# Altium PCB bitfury_power.PcbDoc (part 2 of 2)
Units mm, origin at the board's own origin, x right, y up, seen from the top; angles counter-clockwise.
Board outline 85.25 x 57.25 mm, 2 copper layers (Top Layer, Bottom Layer); 97 components, 67 nets, 376 pads, 210 vias.
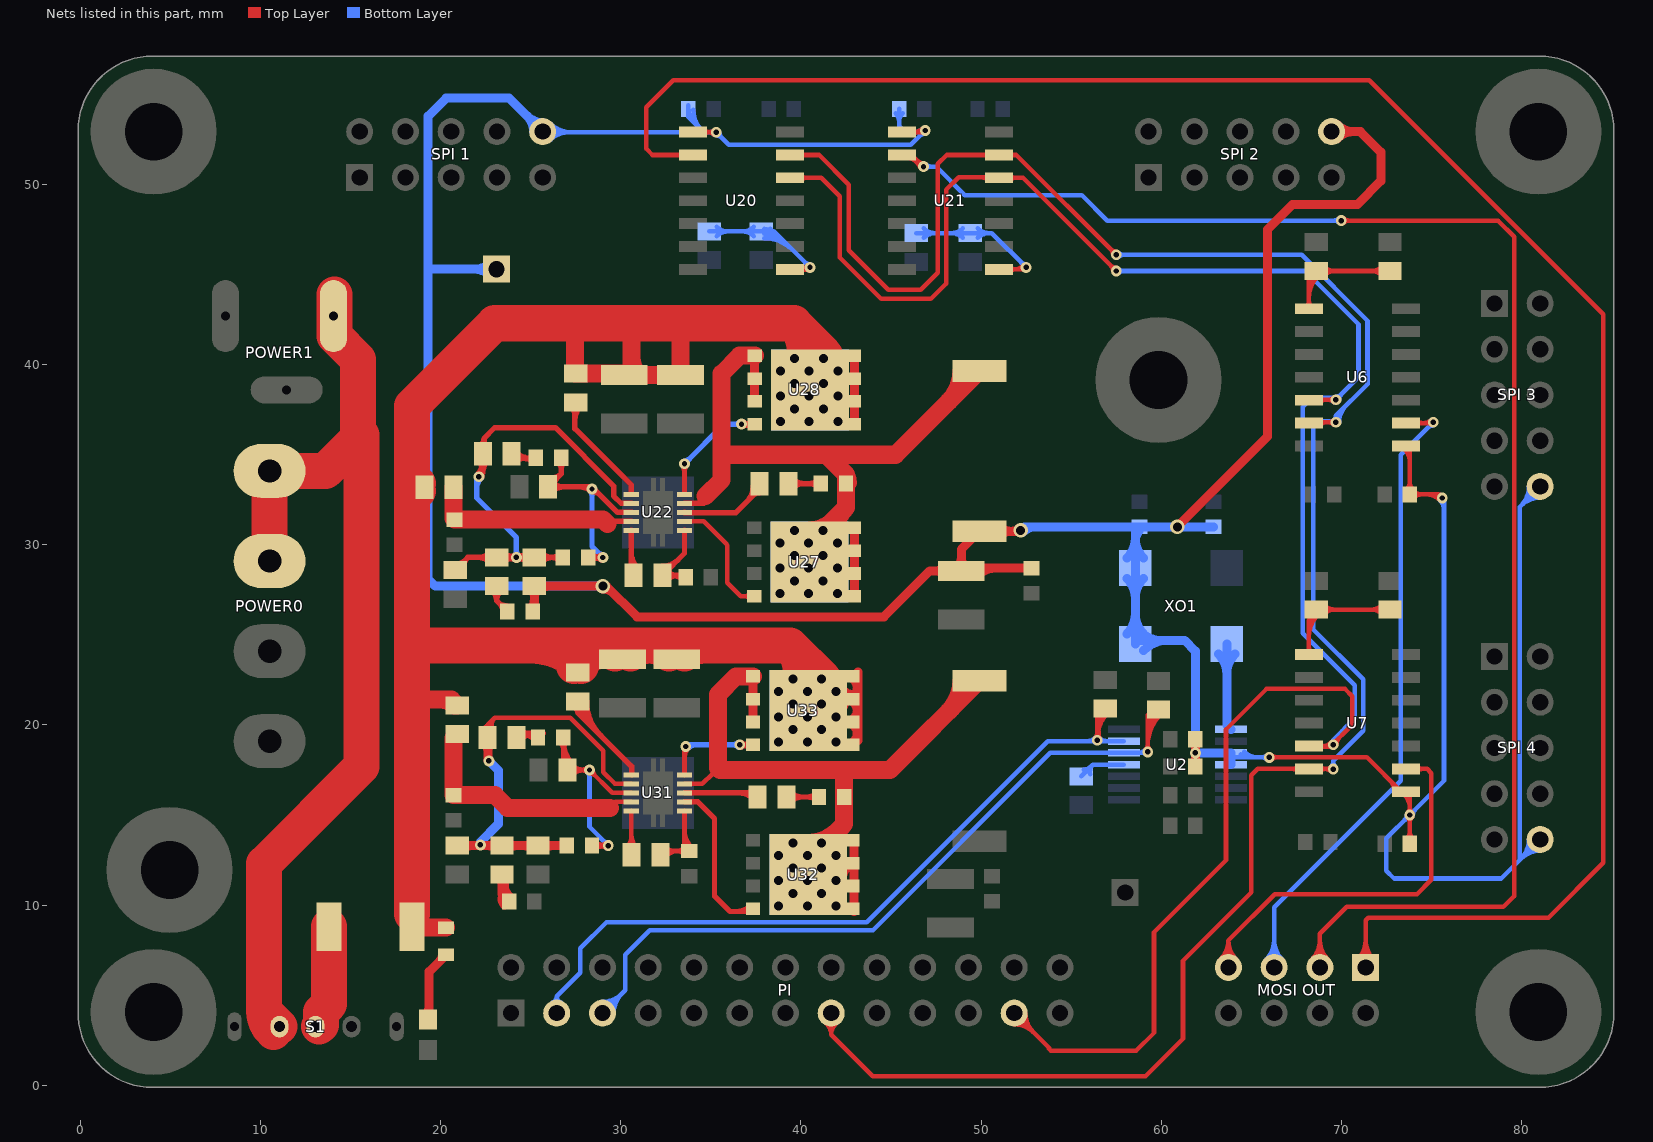
[diagram p2: the nets of this part, all layers, seen from the top]

## Via types
v1: diameter 0.8, hole 0.5, Top Layer to Bottom Layer, 83 vias
v2: diameter 0.6, hole 0.3, Top Layer to Bottom Layer, 77 vias
v3: diameter 1.27, hole 0.711, Top Layer to Bottom Layer, 48 vias
v4: diameter 0.6, hole 0.3, Top Layer to Bottom Layer, tented bottom, 2 vias

## Nets (pads, with @x,y where several pads share a name; then routed paths per layer and width w, separated by ;. In a path a pad name is that pad's centre, name@x,y a point inside that pad or via, vN(x,y) a via of type N, cw(c..) or ccw(c..) an arc to the next point about the centre after c; other vN are vias at no path point) (continued)
INSCK_3V3: PI.23 U6.12 U7.12 U20.12 U21.12 | length 127.2
  Top Layer w0.254: U20.12@39.4,50.373 41.127,50.373 42.15,49.35 42.15,45.95 44.45,43.65 47.2,43.65 48.054,44.504 48.054,49.704 48.75,50.4 50.973,50.4 U21.12@51,50.373 52.327,50.373 v2(57.5,45.2) ; U20.12@39.997,50.251 cw(c40.293,49.955) 40.293,50.373 cw(c40.293,50.791) U20.12@39.997,50.495 ; 50.042,50.4 cw(c50.042,49.89) U21.12@50.403,50.251 ; 50.173,50.4 ccw(c50.173,50.725) U21.12@50.403,50.495 ; U21.12@51.597,50.251 cw(c51.893,49.955) 51.893,50.373 cw(c51.893,50.791) U21.12@51.597,50.495 ; PI.23@51.84,3.377 cw(c51.84,1.873) 52.904,2.936 cw(c53.967,4) PI.23@52.463,4 ; PI.23@51.84,3.631 cw(c51.84,2.74) 52.47,3.37 cw(c53.1,4) PI.23@52.209,4 ; PI.23@51.84,4 53.77,2.07 53.77,2.03 53.877,1.923 58.623,1.923 59.6,2.9 59.6,8.5 63.598,12.498 63.598,19.748 65.847,21.997 70.203,21.997 70.6,21.6 70.6,20 69.4,18.8 68.23,18.8 U7.12@68.2,18.83 ; v2@57.327,45.2 ccw(c56.909,45.2) 57.205,45.495 ccw(c57.5,45.791) v2@57.5,45.373 ; U6.12@68.2,38.03 68.22,38.05 v2(69.7,38.05) ; U7.12@68.797,18.708 cw(c69.02,18.485) 69.02,18.8 ; U7.12@68.797,18.952 ccw(c69.165,19.32) 69.165,18.8 ; U6.12@68.797,37.908 cw(c69.141,37.564) 69.141,38.05 ; U6.12@68.797,38.152 ccw(c69.044,38.399) 69.044,38.05 ; U7.12@68.891,18.8 ccw(c68.891,19.559) v2@69.428,19.022 ; v2@69.55,19.073 ccw(c69.55,19.37) 69.76,19.16 ; v2@69.578,37.928 ccw(c69.282,37.632) 69.282,38.05 ccw(c69.282,38.468) v2@69.578,38.172 ; v2@69.723,18.9 cw(c70.261,18.9) 69.881,19.281
  Bottom Layer w0.254: v2(57.5,45.2) 67.992,45.2 70.954,42.238 70.954,39.396 71,39.35 v2(69.7,38.05) 69.6,38.15 68.35,38.15 67.85,37.65 67.85,25.1 70.754,22.196 70.754,20.367 69.55,19.163 v2(69.55,18.9) ; v2@57.622,45.078 cw(c57.918,44.782) 57.918,45.2 cw(c57.918,45.618) v2@57.622,45.322 ; 69.041,38.15 cw(c69.041,37.391) v2@69.578,37.928 ; v2@69.469,18.9 cw(c69.909,18.9) 69.598,19.211 ; v2@69.7,38.223 ccw(c69.7,38.641) 69.995,38.345 ccw(c70.291,38.05) v2@69.873,38.05 ; v2@69.723,18.9 cw(c70.776,18.9) 70.032,19.645
NetC230_2: C230.2 R28.1 U22.4 | length 11.7
  Top Layer w0.3: 29.304,31.396 29.4,31.3 U22.4@30.582,31.3
  Top Layer w1: R28.1@20.7,33.2 20.7,31.458 C230.2@20.762,31.396 29.017,31.396 29.256,31.156
NetC231_1: C231.1 R30.2 | length 3.8
  Top Layer w0.3: R30.2@22.862,27.443 cw(c22.361,26.9) 23.1,26.9 ; R30.2@23.1,27.7 23.1,26.9 ; 23.188,26.812 ccw(c23.7,27.324) C231.1@23.7,26.6 ; C231.1@23.309,26.691 cw(c22.967,26.35) C231.1@23.45,26.35 ; R30.2@23.338,27.443 ccw(c23.839,26.9) 23.1,26.9 ; C231.1@23.7,26.3 23.1,26.9
NetC232_1: C232.1 R32.1 | length 3.9
  Top Layer w0.3: R32.1@23.934,35.048 24.188,34.794 C232.1@25.482,34.794 ; R32.1@24.181,34.651 cw(c24.528,34.304) 24.528,34.794 ; R32.1@24.181,35.146 ccw(c25.03,35.994) C232.1@25.03,34.794 ; 24.653,34.794 cw(c24.653,34.15) C232.1@25.109,34.605 ; 24.711,34.794 ccw(c24.711,35.357) C232.1@25.109,34.959
NetC232_2: C232.2 C233.2 R33.1 U22.3 | length 19.9
  Top Layer w0.3: R33.1@26.015,33.712 ccw(c26.127,34.495) 26.686,33.936 ; R33.1@26.213,32.969 cw(c26.811,32.371) 26.811,33.216 cw(c26.811,34.061) R33.1@26.213,33.464 ; R33.1@26.316,33.366 cw(c26.799,33.366) R33.1@26.457,33.707 ; C232.2@26.509,34.605 cw(c26.082,34.178) 26.686,34.178 cw(c27.29,34.178) C232.2@26.863,34.605 ; C232.2@26.882,34.794 26.686,34.598 26.686,33.936 ; 27.758,33.216 cw(c27.758,32.458) v2@28.294,32.994 ; C233.2@28.182,29.298 v2(29.006,29.298) ; C233.2@28.359,29.121 cw(c28.786,28.694) 28.786,29.298 cw(c28.786,29.902) C233.2@28.359,29.475 ; v2@28.4,32.95 cw(c28.4,32.311) 28.852,32.763 ; C233.2@28.579,29.243 cw(c28.681,28.863) v2@28.916,29.178 ; C233.2@28.579,29.353 ccw(c28.681,29.733) v2@28.916,29.418 ; v2@28.9,29.192 ccw(c28.644,28.936) 28.644,29.298 ccw(c28.644,29.66) v2@28.9,29.404 ; U22.3@30.6,31.8 U22.3@30.582,31.8 29.815,31.8 28.399,33.216 R33.1@25.966,33.216 26.686,33.936
  Bottom Layer w0.3: v2@28.294,32.994 cw(c28.038,32.738) 28.4,32.738 cw(c28.762,32.738) v2@28.506,32.994 ; v2(28.4,33.1) 28.4,29.904 v2(29.006,29.298) ; v2@28.856,29.298 ccw(c28.494,29.298) 28.75,29.554 ccw(c29.006,29.81) v2@29.006,29.448
NetC233_1: C233.1 R29.2 R30.1 R31.1 R32.2 U22.2 | length 41.1
  Top Layer w0.3: R29.2@20.8,28.6 21.5,29.3 ; R29.2@20.95,28.95 ccw(c20.95,29.433) R29.2@21.291,29.091 ; R29.2@21.295,28.658 cw(c22.019,28.781) 21.5,29.3 ; v2@22.012,33.884 ccw(c21.234,34.662) R32.2@22.334,34.662 ; v2@22.043,33.908 ccw(c21.627,34.628) R32.2@22.43,34.413 ; v2@22.065,33.918 ccw(c21.875,34.422) 22.396,34.283 ; R32.2@22.086,34.651 cw(c21.489,34.053) 22.334,34.053 cw(c23.179,34.053) R32.2@22.581,34.651 ; v2(22.118,33.778) 22.334,33.994 ; v2@22.137,33.927 ccw(c22.167,34.161) 22.334,33.994 ; R32.2@22.166,35.505 ccw(c21.95,35.9) 22.4,35.9 ; v2@22.267,33.797 cw(c22.501,33.827) 22.334,33.994 ; 22.4,35.884 ccw(c23.019,35.884) R32.2@22.581,35.446 ; R30.1@22.703,29.053 ccw(c22.105,28.455) 22.105,29.3 ccw(c22.105,30.145) R30.1@22.703,29.547 ; R30.1@22.854,29.2 R30.1@22.9,29.246 ; R30.1@23.497,29.053 cw(c24.095,28.455) 24.095,29.3 cw(c24.095,30.145) R30.1@23.497,29.547 ; 23.78,29.216 cw(c23.898,28.776) v2@24.125,29.17 ; 23.78,29.384 ccw(c23.898,29.824) v2@24.125,29.43 ; v2@24.094,29.194 ccw(c23.838,28.938) 23.838,29.3 ccw(c23.838,29.662) v2@24.094,29.406 ; v2@24.275,29.17 cw(c24.458,28.853) R31.1@24.553,29.207 ; v2@24.275,29.43 ccw(c24.458,29.747) R31.1@24.553,29.393 ; v2@24.306,29.194 cw(c24.562,28.938) 24.562,29.3 cw(c24.562,29.662) v2@24.306,29.406 ; v2@24.33,29.225 cw(c24.64,29.046) 24.547,29.392 ; v2@24.33,29.375 ccw(c24.64,29.554) 24.547,29.208 ; R31.1@24.803,29.053 ccw(c24.205,28.455) 24.205,29.3 ccw(c24.205,30.145) R31.1@24.803,29.548 ; R31.1@25.597,29.053 cw(c26.195,28.455) 26.195,29.3 cw(c26.195,30.145) R31.1@25.597,29.548 ; 26.174,29.3 cw(c26.174,28.69) C233.1@26.605,29.121 ; 26.183,29.3 ccw(c26.183,29.897) C233.1@26.605,29.475 ; C233.1@26.782,29.298 26.78,29.3 R31.1@25.2,29.3 ; U22.2@30.582,32.3 30.022,32.3 29.6,32.722 29.6,33.263 26.363,36.5 23,36.5 22.4,35.9 ; 21.5,29.3 R30.1@23.1,29.3 v2(24.2,29.3) R31.1@25,29.3 ; 22.334,33.994 R32.2@22.334,35.048 22.4,35.114 22.4,35.9 ; R31.1@25,29.3 R31.1@25.2,29.3 ; R31.1@25,29.3 24.932,29.232 R31.1@25.2,29.3
  Bottom Layer w0.3: 22,33.131 cw(c22.765,33.131) v2@22.224,33.672 ; v2(22.118,33.778) 22,33.66 22,32.6 24.2,30.4 v2(24.2,29.3) ; v2@24.094,29.406 ccw(c23.838,29.662) 24.2,29.662 ccw(c24.562,29.662) v2@24.306,29.406
NetC234_2: C234.2 R35.2 U22.6 | length 8
  Top Layer w0.3: R35.2@32.3,28.8 ccw(c32.3,30.007) 33.154,29.154 ; R35.2@32.548,28.053 cw(c33.145,27.455) 33.145,28.3 cw(c33.145,29.145) R35.2@32.548,28.547 ; R35.2@32.65,28.45 cw(c33.133,28.45) R35.2@32.791,28.791 ; 32.876,28.3 cw(c32.876,27.526) C234.2@33.423,28.073 ; 33.117,28.3 ccw(c33.117,28.733) C234.2@33.423,28.427 ; U22.6@33.532,30.8 33.532,29.532 R35.2@32.3,28.3 33.5,28.3 C234.2@33.6,28.2
NetC235_1: C235.1 L4.1 U22.9 U27.5 U27.6 U27.7 U27.8 U28.1 U28.2 U28.3 | length 50.8
  Top Layer w0.3: U22.9@33.532,32.3 34.6,32.3 34.9,32.6
  Top Layer w0.5: U28.3@37.414,37.96 37.414,40.1 ; v1(42.029,27.3) 42.189,27.14 U27.5@42.979,27.14 U27.6@42.979,28.41 U27.7@42.979,29.68 U27.8@42.979,30.95 ; U27.8@42.135,27.406 ccw(c42.777,28.048) U27.5@42.777,27.14
  Top Layer w1: 34.7,32.7 35.6,33.6 35.6,35 ; U28.1@37.435,40.5 36.6,40.5 35.6,39.5 35.6,35 ; U27.8@40.468,30.192 cw(c39.972,29.037) 41.229,29.037 cw(c42.486,29.037) U27.8@41.989,30.192 ; U27.8@40.479,30.8 ccw(c40.479,32.611) 41.759,31.33 ; v1(41.229,29.4) v1(41.229,30.8) 42.5,32.071 ; U27.8@42.022,29.753 cw(c44.022,30.549) 42.5,32.071 ; 42.353,34.047 cw(c41.755,33.45) C235.1@42.6,33.45 ; 48.193,37.943 ccw(c46.486,39.65) L4.1@48.9,39.65 ; L4.1@49.9,39.65 45.25,35 41.4,35 ; 35.6,35 41.4,35 ; 41.4,35 42.5,33.9 C235.1@42.5,33.4 42.5,32.071
  other v1: 38.829,27.3 40.429,27.3 39.629,28 41.229,28 38.829,28.7 40.429,28.7 42.029,28.7 39.629,29.4 38.829,30.1 40.429,30.1 42.029,30.1 39.629,30.8
NetC235_2: C235.2 R36.2 | length 4.1
  Top Layer w0.3: R36.2@39.298,33.4 C235.2@41.1,33.4 ; R36.2@39.545,33.153 cw(c40.143,32.555) 40.143,33.4 cw(c40.143,34.245) R36.2@39.545,33.647 ; C235.2@40.923,33.223 ccw(c40.496,32.796) 40.496,33.4 ccw(c40.496,34.004) C235.2@40.923,33.577
NetC240_2: C240.2 R38.1 U31.4 | length 13.8
  Top Layer w0.254: 29.354,15.401 29.681,15.728 U31.4@30.596,15.728
  Top Layer w1: R38.1@20.917,19.488 20.717,19.288 C240.2@20.717,16.1 23,16.1 23.699,15.401 29.354,15.401 29.4,15.401
NetC241_1: C241.1 R42.1 | length 3.7
  Top Layer w0.3: R42.1@24.235,19.53 C241.1@25.7,19.53 ; R42.1@24.362,19.53 cw(c24.362,18.312) C241.1@25.223,19.173 ; R42.1@24.447,19.203 cw(c25.238,18.412) C241.1@25.238,19.53 ; R42.1@24.447,19.697 ccw(c24.852,20.102) 24.852,19.53
NetC241_2: C241.2 C242.2 R43.1 U31.3 | length 20.5
  Top Layer w0.254: v2@28.261,17.325 cw(c28.261,16.907) 28.556,17.203 cw(c28.852,17.498) v2@28.434,17.498 ; v2(28.261,17.498) 29.531,16.228 U31.3@30.596,16.228 ; C242.2@28.4,13.3 v2(29.3,13.3) ; C242.2@28.593,13.107 cw(c29.059,12.641) 29.059,13.3 cw(c29.059,13.959) C242.2@28.593,13.493 ; 28.834,13.24 cw(c28.939,12.848) v2@29.192,13.165 ; 28.834,13.36 ccw(c28.939,13.752) v2@29.192,13.435 ; v2@29.178,13.178 ccw(c28.882,12.882) 28.882,13.3 ccw(c28.882,13.718) v2@29.178,13.422
  Top Layer w0.3: C241.2@26.623,19.073 cw(c26.127,18.577) 26.829,18.577 ; 26.829,18.252 ccw(c27.633,18.252) R43.1@27.064,17.683 ; 26.829,18.716 cw(c27.334,18.716) C241.2@26.977,19.073 ; C241.2@26.829,18.976 ccw(c28.357,18.976) R43.1@27.276,17.895 ; C241.2@26.829,19.122 26.829,17.498 v2(28.261,17.498) ; R43.1@27.276,17.25 cw(c27.874,16.653) 27.874,17.498 cw(c27.874,18.343) R43.1@27.276,17.745 ; v2@28.155,17.392 ccw(c27.899,17.136) 27.899,17.498 ccw(c27.899,17.86) v2@28.155,17.604
  Bottom Layer w0.254: v2@28.139,17.376 cw(c27.843,17.08) 28.261,17.08 cw(c28.679,17.08) v2@28.383,17.376 ; v2(28.261,17.498) 28.261,14.339 v2(29.3,13.3) ; v2@29.127,13.3 ccw(c28.709,13.3) 29.005,13.595 ccw(c29.3,13.891) v2@29.3,13.473
NetC242_1: C242.1 R39.2 R40.1 R41.1 R42.2 U31.2 | length 32.7
  Top Layer w0.254: R42.2@22.462,19.797 ccw(c22.381,20) 22.6,20 ; R42.2@22.486,19.378 cw(c22.876,19.624) R42.2@22.55,19.95 ; R42.2@22.6,19.3 22.6,20 ; R42.2@22.701,19.513 cw(c23.152,19.798) 22.775,20.175 ; R42.2@22.738,19.797 cw(c22.819,20) 22.6,20 ; R42.2@22.916,19.649 cw(c23.428,19.972) 23,20.4 ; U31.2@30.596,16.728 29.673,16.728 29.023,17.378 29.023,18.577 27.2,20.4 23,20.4 ; 22.6,20 23,20.4
  Top Layer w0.5: R39.2@20.917,13.3 v2@22.158,13.3 ; R39.2@21.244,13.123 cw(c21.671,12.696) 21.671,13.3 cw(c21.671,13.904) R39.2@21.244,13.477 ; v2(22.2,13.342) v2@22.158,13.3 ; R42.2@22.423,18.973 cw(c21.912,18.462) 22.635,18.462 ; 22.635,18.631 cw(c23.119,18.631) R42.2@22.777,18.973 ; R42.2@22.635,19.53 22.635,18.044 v2(22.673,18.006) ; R40.1@23.073,13.123 ccw(c22.646,12.696) 22.646,13.3 ccw(c22.646,13.904) R40.1@23.073,13.477 ; R40.1@23.727,13.123 cw(c24.154,12.696) 24.154,13.3 cw(c24.154,13.904) R40.1@23.727,13.477 ; R41.1@25.073,13.123 ccw(c24.646,12.696) 24.646,13.3 ccw(c24.646,13.904) R41.1@25.073,13.477 ; R41.1@25.727,13.123 cw(c26.154,12.696) 26.154,13.3 cw(c26.154,13.904) R41.1@25.727,13.477 ; C242.1@26.825,13.3 R41.1@25.4,13.3 R40.1@23.4,13.3 v2@22.158,13.3
  Bottom Layer w0.5: v2(22.2,13.342) 22.2,13.5 23.2,14.5 23.2,17.479 v2(22.673,18.006) ; v2@22.25,13.342 cw(c22.753,13.342) 22.397,13.697
NetC243_1: C243.1 R40.2 | length 4.9
  Top Layer w0.5: R40.2@23.223,11.523 cw(c22.796,11.096) 23.4,11.096 cw(c24.004,11.096) R40.2@23.577,11.523 ; 23.4,10.371 ccw(c23.921,10.371) C243.1@23.553,10.003 ; R40.2@23.4,11.578 ccw(c25.128,11.578) C243.1@23.906,10.356 ; R40.2@23.4,11.7 23.4,10.6 C243.1@23.8,10.2 ; 23.552,11.009 cw(c24.022,11.135) R40.2@23.71,11.508
NetC244_2: C244.2 R44.2 U31.6 | length 8.2
  Top Layer w0.254: R44.2@32.2,12.8 32.4,13 C244.2@33.8,13 33.532,13.268 U31.6@33.532,15.228 ; R44.2@32.464,12.686 cw(c33.221,11.929) 33.221,13 ; R44.2@32.464,13.214 ccw(c32.98,13.73) 32.98,13 ; 33.532,13.572 ccw(c34.322,13.572) C244.2@33.763,13.013 ; 33.532,14.186 ccw(c34.935,14.186) C244.2@33.943,13.193 ; C244.2@33.557,12.807 ccw(c33.091,12.341) 33.091,13 ccw(c33.091,13.659) C244.2@33.557,13.193
NetC245_1: C245.1 L5.1 U31.9 U32.5 U32.6 U32.7 U32.8 U33.1 U33.2 U33.3 | length 52.3
  Top Layer w0.254: U31.9@33.532,16.728 34.528,16.728 35.1,17.3 ; U32.8@41.597,13.196 U32.8@41.803,13.402
  Top Layer w0.5: U33.3@37.335,20.16 U33.2@37.335,21.43 U33.1@37.335,22.7 ; U32.8@41.256,11.944 cw(c41.826,11.374) U32.8@41.826,12.18 ; U32.8@41.285,11.985 cw(c41.597,11.833) 41.597,12.18 U32.7@42.95,12.18 ; U32.8@41.618,12.639 ccw(c42.256,12.852) U32.8@42.256,12.18 ; U32.8@41.937,11.499 ccw(c41.892,12.037) U32.8@42.396,11.844 ; U32.8@41.946,12.6 cw(c41.93,12.036) U32.8@42.34,12.424 ; U32.8@42.08,12.699 ccw(c42.95,13.169) U32.7@42.95,12.18 ; U32.8@42.092,12.798 ccw(c42.95,13.084) U32.7@42.95,12.18 ; U32.8@42.3,11.594 cw(c42.95,11.526) U32.7@42.95,12.18 ; U32.8@42.345,12.18 ccw(c42.345,12.875) U32.7@42.836,12.384 ; U32.5@42.836,9.864 ccw(c42.562,10.138) U32.5@42.95,10.138 ; U32.6@42.836,10.986 cw(c42.562,10.712) U32.6@42.95,10.712 ; U32.6@42.836,11.134 ccw(c42.562,11.408) U32.6@42.95,11.408 ; U32.7@42.836,12.256 cw(c42.562,11.982) U32.7@42.95,11.982 ; U32.7@42.836,12.404 ccw(c42.562,12.678) U32.7@42.95,12.678 ; U32.8@42.836,13.526 cw(c42.562,13.252) U32.8@42.95,13.252 ; U32.5@42.95,9.64 42.95,10.91 U32.7@42.95,12.18 ; U32.8@42.95,13.45 U32.7@42.95,12.18
  Top Layer w1: U33.1@37.335,22.7 36.4,22.7 35.4,21.7 35.4,17.6 35.5,17.5 42.4,17.5 ; U32.8@40.4,13.45 ccw(c40.4,15.743) 42.022,14.122 ; U32.8@41.2,13.3 42.402,14.502 C245.1@42.402,16 42.402,17.498 42.4,17.5 ; U32.8@41.597,12.18 U32.8@41.841,12.424 ; U32.8@41.95,12.383 cw(c43.809,13.095) 42.402,14.502 ; 48.193,20.743 ccw(c46.486,22.45) L5.1@48.9,22.45 ; L5.1@49.9,22.45 44.95,17.5 42.4,17.5
  other v1: 38.75,9.95 40.35,9.95 41.95,9.95 39.55,10.65 41.15,10.65 38.75,11.35 40.35,11.35 41.95,11.35 39.55,12.05 41.15,12.05 38.75,12.75 40.35,12.75 41.95,12.75 39.55,13.45 41.15,13.45
NetC245_2: C245.2 R45.2 | length 4.1
  Top Layer w0.3: R45.2@39.2,16 C245.2@41.002,16 ; R45.2@39.447,15.753 cw(c40.045,15.155) 40.045,16 cw(c40.045,16.845) R45.2@39.447,16.247 ; C245.2@40.825,15.823 ccw(c40.398,15.396) 40.398,16 ccw(c40.398,16.604) C245.2@40.825,16.177
NetD1_1: D1.1 R37.1 | length 5.1
  Top Layer w0.5: D1.1@19.123,3.877 ccw(c18.576,4.424) 19.35,4.424 ; D1.1@19.35,3.5 19.35,6.3 R37.1@20.3,7.25 ; R37.1@19.959,6.909 ccw(c19.617,7.25) R37.1@20.1,7.25
NetF1_2: F1.2 S1.2 | length 5.8
  Top Layer w2: S1.2@13.25,3.25 13.35,3.35 13.35,4.054 13.8,4.504 F1.2@13.8,8.8
NetPOWER0_1: POWER0.1 POWER0.2 POWER1.1 S1.3 | length 57.2
  Top Layer w2: 10.2,4.195 ccw(c11.895,4.195) S1.3@10.696,2.996 ; POWER0.2@10.5,29.1 POWER0.1@10.5,34.1 13.6,34.1 15.4,35.9 15.4,40.3 14.1,41.6 POWER1.1@14.1,43.9 ; S1.3@10.729,2.967 cw(c11.678,4.1) 10.2,4.1 ; S1.3@11.05,3.25 10.2,4.1 ; 15.6,36.1 15.6,17.7 10.2,12.3 10.2,4.1
NetR1_1: R1.1 R5.2 U20.8 | length 17.3
  Top Layer w0.254: U20.8@39.4,45.293 40.393,45.293 v2(40.5,45.4) ; U20.8@39.824,45.293 ccw(c39.824,46.076) v2@40.378,45.522 ; U20.8@39.997,45.171 cw(c40.293,44.875) 40.293,45.293 cw(c40.293,45.711) U20.8@39.997,45.415 ; U20.8@40.001,45.215 ccw(c39.853,45.765) v2@40.349,45.485 ; 40.225,45.275 cw(c40.289,45.035) v2@40.414,45.25
  Bottom Layer w0.254: R5.2@34.9,47.4 R1.1@37.8,47.4 38.5,47.4 ; R5.2@35.314,47.136 cw(c35.95,46.5) 35.95,47.4 cw(c35.95,48.301) R5.2@35.314,47.664 ; R1.1@37.386,47.136 ccw(c36.749,46.499) 36.749,47.4 ccw(c36.75,48.3) R1.1@37.386,47.664 ; R1.1@37.95,47.027 cw(c37.95,44.799) 39.526,46.374 ; R1.1@37.95,47.281 cw(c37.95,45.666) 39.092,46.808 ; R1.1@37.95,47.535 cw(c37.95,46.533) 38.658,47.242 ; R1.1@38.297,47.262 cw(c38.5,47.181) 38.5,47.4 ; R1.1@38.297,47.538 ccw(c38.5,47.619) 38.5,47.4 ; v2@40.327,45.4 ccw(c39.909,45.4) 40.205,45.695 ccw(c40.5,45.991) v2@40.5,45.573 ; v2(40.5,45.4) 38.5,47.4
NetR2_1: R2.1 R6.2 U21.8 | length 14.6
  Top Layer w0.254: U21.8@51,45.293 52.393,45.293 v2(52.5,45.4) ; U21.8@51.597,45.171 cw(c51.893,44.875) 51.893,45.293 cw(c51.893,45.711) U21.8@51.597,45.415 ; 51.824,45.293 ccw(c51.824,46.076) v2@52.378,45.522
  Bottom Layer w0.254: R6.2@46.4,47.3 R2.1@49.4,47.3 50.6,47.3 v2(52.5,45.4) ; R6.2@46.814,47.036 cw(c47.45,46.4) 47.45,47.3 cw(c47.45,48.201) R6.2@46.814,47.564 ; R2.1@48.986,47.036 ccw(c48.35,46.4) 48.35,47.3 ccw(c48.349,48.201) R2.1@48.986,47.564 ; R2.1@49.814,47.036 cw(c50.45,46.4) 50.45,47.3 cw(c50.45,48.201) R2.1@49.814,47.564 ; v2@52.327,45.4 ccw(c51.909,45.4) 52.205,45.695 ccw(c52.5,45.991) v2@52.5,45.573
NetR3_1: R3.1 R7.2 U6.8 | length 12.1
  Top Layer w0.254: U6.8@68.078,43.232 ccw(c67.782,43.528) 68.2,43.528 ccw(c68.618,43.528) U6.8@68.322,43.232 ; U6.8@68.2,43.11 68.2,44.8 R3.1@68.6,45.2 R7.2@72.7,45.2 ; 68.2,43.696 cw(c69.954,43.696) R3.1@68.714,44.936 ; 68.2,44.309 cw(c69.341,44.309) R3.1@68.534,45.116 ; R3.1@69.014,44.936 cw(c69.65,44.3) 69.65,45.2 cw(c69.65,46.1) R3.1@69.014,45.464 ; R7.2@72.286,44.936 ccw(c71.649,44.299) 71.649,45.2 ccw(c71.649,46.1) R7.2@72.286,45.464
NetR4_1: R4.1 R8.2 U7.8 | length 13.2
  Top Layer w0.254: U7.8@68.078,24.032 ccw(c67.782,24.328) 68.2,24.328 ccw(c68.618,24.328) U7.8@68.322,24.032 ; U7.8@68.2,23.91 68.2,25.8 68.8,26.4 R8.2@73.1,26.4 ; 68.2,24.896 cw(c69.954,24.896) R4.1@68.714,26.136 ; 68.2,25.509 cw(c69.341,25.509) R4.1@68.534,26.316 ; 68.2,25.75 cw(c68.478,25.75) R4.1@68.466,26.027 ; R4.1@69.014,26.136 cw(c69.65,25.499) 69.65,26.4 cw(c69.65,27.3) R4.1@69.014,26.664 ; R8.2@72.286,26.136 ccw(c71.649,25.5) 71.649,26.4 ccw(c71.649,27.301) R8.2@72.286,26.664
NetR11_2: R11.2 U2.11 | length 3.7
  Bottom Layer w0.254: R11.2@55.55,17.15 56.2,17.8 ; R11.2@55.7,17.523 ccw(c55.7,18.061) 56.081,17.681 ; R11.2@56.059,17.253 cw(c56.594,17.406) 56.2,17.8 ; U2.11@57.93,17.8 56.2,17.8
NetR34_1: R34.1 U22.1 | length 7.7
  Top Layer w0.3: R34.1@27.252,37.653 cw(c26.785,37.185) 27.446,37.185 ; 27.446,36.925 cw(c28.475,36.925) R34.1@27.747,37.653 ; R34.1@27.446,37.9 27.446,36.454 30.582,33.318 U22.1@30.582,32.8
NetR35_1: R35.1 U22.5 | length 3.9
  Top Layer w0.3: R35.1@30.452,28.697 ccw(c30.14,29.01) 30.582,29.01 ; 30.582,29.58 ccw(c31.83,29.58) R35.1@30.947,28.697 ; U22.5@30.582,30.8 30.582,28.418 R35.1@30.7,28.3
NetR36_1: R36.1 U22.8 | length 6.7
  Top Layer w0.3: U22.8@33.532,31.8 33.542,31.79 36.39,31.79 37.698,33.098 R36.1@37.698,33.4 R36.1@37.444,33.654 ; 36.993,32.393 ccw(c36.136,33.25) R36.1@37.348,33.25 ; R36.1@37.36,32.76 cw(c37.698,32.422) R36.1@37.698,32.9
NetR44_1: R44.1 U31.5 | length 3.8
  Top Layer w0.254: R44.1@30.336,13.214 ccw(c29.743,13.807) 30.582,13.807 ; 30.582,13.894 ccw(c31.544,13.894) R44.1@30.864,13.214 ; U31.5@30.582,15.228 30.582,12.818 R44.1@30.6,12.8
NetR45_1: R45.1 U31.8 | length 5.5
  Top Layer w0.3: U31.8@33.532,16.228 37.372,16.228 R45.1@37.6,16 ; 36.567,16.228 cw(c36.567,15.117) R45.1@37.353,15.903 ; 36.943,16.228 ccw(c36.943,16.807) R45.1@37.353,16.397
NetR46_1: R46.1 U31.1 | length 10.6
  Top Layer w0.3: R46.1@27.423,21.002 cw(c27.253,20.703) 27.597,20.703 ; R46.1@27.497,21.306 ccw(c28.711,21.306) 27.853,20.447 ; R46.1@27.597,21.306 27.597,20.703 ; R46.1@27.771,21.002 ccw(c27.941,20.703) 27.597,20.703 ; R46.1@27.797,21.306 ccw(c29.735,21.306) 28.365,19.935 ; R46.1@28.097,21.306 ccw(c30.76,21.306) 28.877,19.423 ; U31.1@30.596,17.228 30.596,17.704 27.597,20.703
NetU2_1: U2.1 XO1.3 | length 7.3
  Bottom Layer w0.5: XO1.3@63.18,23.94 cw(c62.071,22.831) 63.64,22.831 cw(c65.209,22.831) XO1.3@64.1,23.94 ; XO1.3@63.64,24.5 63.64,19.99 U2.1@63.87,19.76
NetU22_7: U22.7 U27.4 | length 7.7
  Top Layer w0.254: U22.7@33.532,31.3 34.6,31.3 35.873,30.027 35.873,29.999 35.9,29.972 35.9,27.9 36.66,27.14 U27.4@37.414,27.14 ; U27.4@37.206,26.982 ccw(c36.826,26.602) 36.826,27.14 ccw(c36.826,27.678) U27.4@37.206,27.298
NetU22_10: U22.10 U28.4 | length 10.1
  Top Layer w0.3: v2@33.426,34.394 cw(c33.17,34.138) 33.532,34.138 cw(c33.894,34.138) v2@33.638,34.394 ; U22.10@33.532,32.8 v2(33.532,34.5) ; v2(36.7,36.7) 36.71,36.69 U28.4@37.435,36.69 ; v2@36.795,36.584 cw(c36.992,36.346) U28.4@37.072,36.644 ; v2@36.806,36.594 cw(c37.038,36.362) U28.4@37.038,36.69 ; v2@36.806,36.806 ccw(c37.086,37.086) U28.4@37.086,36.69 ; v2@36.814,36.797 ccw(c36.983,36.94) U28.4@37.04,36.727 ; U28.4@37.244,36.549 ccw(c36.902,36.207) 36.902,36.69 ccw(c36.902,37.173) U28.4@37.244,36.831
  Bottom Layer w0.3: v2(33.532,34.5) 35.732,36.7 v2(36.7,36.7) ; v2@33.532,34.65 ccw(c33.532,35.012) 33.788,34.756 ccw(c34.044,34.5) v2@33.682,34.5 ; v2@36.594,36.594 ccw(c36.338,36.338) 36.338,36.7 ccw(c36.338,37.062) v2@36.594,36.806
NetU31_7: U31.7 U32.4 | length 9.7
  Top Layer w0.3: U31.7@33.532,15.728 34.272,15.728 35.2,14.8 35.2,10.5 36.06,9.64 U32.4@37.385,9.64 ; 36.44,9.64 ccw(c36.44,10.635) U32.4@37.144,9.931
NetU31_10: U31.10 U33.4 | length 8.8
  Top Layer w0.3: U31.10@33.532,17.228 33.532,18.732 v2(33.6,18.8) ; 33.532,18.274 cw(c34.126,18.274) v2@33.706,18.694 ; v2(36.6,18.9) 37.325,18.9 U33.4@37.335,18.89 ; v2@36.701,18.789 cw(c36.887,18.583) U33.4@36.959,18.851 ; v2@36.706,18.794 cw(c36.962,18.538) 36.962,18.9 cw(c36.962,19.262) v2@36.706,19.006 ; v2@36.709,19.003 ccw(c36.889,19.172) U33.4@36.953,18.934 ; v2@36.778,18.9 cw(c36.778,18.383) U33.4@37.144,18.749 ; v2@36.826,18.9 ccw(c36.826,19.349) U33.4@37.144,19.031
  Bottom Layer w0.3: v2(33.6,18.8) 33.7,18.9 v2(36.6,18.9) ; v2@33.706,18.694 cw(c34.204,18.196) 34.204,18.9 ; v2@36.494,18.794 ccw(c36.238,18.538) 36.238,18.9 ccw(c36.238,19.262) v2@36.494,19.006
OMOSI0: "MOSI OUT.1" U20.2 | length 116.8
  Top Layer w0.254: U20.2@33.403,51.521 ccw(c33.107,51.225) 33.107,51.643 ccw(c33.107,52.061) U20.2@33.403,51.765 ; U20.2@34,51.643 31.757,51.643 31.4,52 31.4,54.3 32.9,55.8 67.3,55.8 ; 66.7,55.8 67.3,55.8 ; 70.909,6.981 ccw(c69.846,8.044) 71.35,8.044 ccw(c72.854,8.044) 71.791,6.981 ; 71.089,6.801 ccw(c70.459,7.431) 71.35,7.431 ccw(c72.241,7.431) 71.611,6.801 ; 71.35,6.54 71.35,9.15 71.5,9.3 81.5,9.3 84.546,12.346 84.546,42.796 71.542,55.8 67.3,55.8
OMOSI4: "MOSI OUT.3" U21.2 | length 95.5
  Top Layer w0.254: U21.2@45.657,51.7 U21.2@45.6,51.643 46.157,51.643 v2(46.8,51) ; U21.2@46.075,51.47 cw(c46.075,50.854) 46.51,51.29 cw(c46.239,51.012) v2@46.627,51.004 ; U21.2@46.1,51.46 cw(c45.733,50.543) v2@46.641,50.932 ; U21.2@46.338,51.365 cw(c46.164,50.932) v2@46.628,50.982 ; 46.5,51.3 cw(c46.205,50.998) 46.627,50.999 ccw(c46.209,51) 46.505,51.295 ccw(c46.8,51.591) v2@46.8,51.173 ; 68.369,6.981 ccw(c67.306,8.044) 68.81,8.044 ccw(c70.314,8.044) 69.251,6.981 ; 68.549,6.801 ccw(c67.919,7.431) 68.81,7.431 ccw(c69.701,7.431) 69.071,6.801 ; 68.81,6.54 68.81,8.41 70.3,9.9 79,9.9 79.6,10.5 79.6,47.1 78.7,48 v2(70,48) ; v2@70.122,47.878 cw(c70.418,47.582) 70.418,48 cw(c70.418,48.418) v2@70.122,48.122 ; 46.513,51.287 ccw(c46.793,51.574) 46.798,51.173 cw(c46.793,51.574) 46.513,51.287
  Bottom Layer w0.254: v2(46.8,51) 47.5,51 49.1,49.4 55.6,49.4 57,48 v2(70,48) ; v2@46.922,50.878 cw(c47.218,50.582) 47.218,51 cw(c47.218,51.418) v2@46.922,51.122 ; v2@69.878,47.878 ccw(c69.582,47.582) 69.582,48 ccw(c69.582,48.418) v2@69.878,48.122
OMOSI8: "MOSI OUT.5" U6.2 | length 41.2
  Top Layer w0.254: U6.2@73.6,36.76 75.06,36.76 v2(75.1,36.8) ; U6.2@74.197,36.638 cw(c74.493,36.342) 74.493,36.76 cw(c74.493,37.178) U6.2@74.197,36.882 ; 74.586,36.76 ccw(c74.586,37.314) v2@74.978,36.922 ; 74.779,36.76 cw(c74.779,36.479) v2@74.978,36.678
  Bottom Layer w0.254: 65.829,6.981 ccw(c64.766,8.044) 66.27,8.044 ccw(c67.774,8.044) 66.711,6.981 ; 66.009,6.801 ccw(c65.379,7.431) 66.27,7.431 ccw(c67.161,7.431) 66.531,6.801 ; 66.27,6.54 66.27,9.87 73.3,16.9 73.3,35 v2(75.1,36.8) ; v2@74.927,36.8 cw(c74.509,36.8) 74.805,36.505 cw(c75.1,36.209) v2@75.1,36.627
OMOSI12: "MOSI OUT.7" U7.2 | length 25.9
  Top Layer w0.254: 63.292,6.983 ccw(c62.26,8.03) 63.73,8.03 ; 63.471,6.803 ccw(c62.859,7.422) 63.73,7.422 ccw(c64.601,7.422) 63.989,6.803 ; 63.73,6.54 63.73,8.03 ; 64.168,6.983 cw(c65.2,8.03) 63.73,8.03 ; U7.2@73.6,17.56 74.76,17.56 75,17.32 75,11.4 74.2,10.6 66.3,10.6 63.73,8.03 ; U7.2@74.197,17.438 cw(c74.493,17.142) 74.493,17.56 cw(c74.493,17.978) U7.2@74.197,17.682
OUTMOSI_3V3: PI.15 U6.13 U7.13 U20.13 U21.13 | length 132.8
  Top Layer w0.254: U20.13@39.4,51.643 41.007,51.643 42.65,50 42.65,46.35 44.85,44.15 46.65,44.15 47.6,45.1 47.6,51.15 48.093,51.643 U21.13@51,51.643 51.957,51.643 v2(57.5,46.1) ; U20.13@39.997,51.521 cw(c40.293,51.225) 40.293,51.643 cw(c40.293,52.061) U20.13@39.997,51.765 ; PI.15@41.325,3.488 cw(c40.855,2.81) 41.68,2.81 cw(c42.505,2.81) PI.15@42.035,3.488 ; PI.15@41.68,4 41.68,2.81 43.99,0.5 59.126,0.5 61.208,2.582 61.208,6.908 65,10.7 65,17.2 65.36,17.56 U7.13@68.2,17.56 69.54,17.56 v2(69.55,17.55) ; U21.13@50.403,51.521 ccw(c50.107,51.225) 50.107,51.643 ccw(c50.107,52.061) U21.13@50.403,51.765 ; U21.13@51.597,51.521 cw(c51.893,51.225) 51.893,51.643 cw(c51.893,52.061) U21.13@51.597,51.765 ; v2@57.327,46.1 ccw(c56.909,46.1) 57.205,46.395 ccw(c57.5,46.691) v2@57.5,46.273 ; U7.13@67.603,17.438 ccw(c67.307,17.142) 67.307,17.56 ccw(c67.307,17.978) U7.13@67.603,17.682 ; U6.13@68.2,36.76 68.24,36.8 v2(69.7,36.8) ; U7.13@68.797,17.438 cw(c69.093,17.142) 69.093,17.56 cw(c69.093,17.978) U7.13@68.797,17.682 ; U6.13@68.797,36.638 cw(c69.189,36.246) 69.189,36.8 ; U6.13@68.797,36.882 ccw(c68.996,37.081) 68.996,36.8 ; 69.108,17.56 cw(c69.108,17.108) v2@69.428,17.428 ; 69.156,17.56 ccw(c69.156,17.944) v2@69.428,17.672 ; v2@69.578,36.678 ccw(c69.282,36.382) 69.282,36.8 ccw(c69.282,37.218) v2@69.578,36.922
  Bottom Layer w0.254: v2@57.55,46.1 67.8,46.1 71.454,42.446 71.454,38.917 69.7,37.163 ; v2@57.622,45.978 cw(c57.918,45.682) 57.918,46.1 cw(c57.918,46.518) v2@57.622,46.222 ; 69.162,36.85 cw(c69.162,36.262) v2@69.578,36.678 ; 69.403,36.85 ccw(c69.403,37.097) v2@69.578,36.922 ; v2@69.428,17.672 ccw(c69.132,17.968) 69.55,17.968 ccw(c69.968,17.968) v2@69.672,17.672 ; v2(69.55,17.55) 69.55,18.013 71.208,19.671 71.208,22.542 68.45,25.3 68.45,36.6 68.7,36.85 69.65,36.85 v2(69.7,36.8) 69.7,37.163 ; v2@69.591,36.934 ccw(c69.405,37.163) 69.7,37.163 ; v2@69.619,36.8 cw(c70.301,36.8) 69.819,37.282 ; v2@69.809,36.934 cw(c69.995,37.163) 69.7,37.163 ; v2@69.873,36.8 cw(c71.168,36.8) 70.252,37.716
SCL: PI.5 R10.1 U2.12 | length 49.7
  Top Layer w0.254: v2@59.128,18.622 ccw(c58.832,18.918) 59.25,18.918 ccw(c59.668,18.918) v2@59.372,18.622 ; v2(59.25,18.5) 59.25,20.55 R10.1@59.85,21.15 ; 59.25,18.863 cw(c61.687,18.863) R10.1@59.964,20.586 ; 59.25,19.476 cw(c61.074,19.476) R10.1@59.784,20.766 ; 59.25,20.09 cw(c60.46,20.09) R10.1@59.605,20.945
  Bottom Layer w0.254: PI.5@28.98,4 30.25,5.27 30.25,7.25 31.6,8.6 44,8.6 53.85,18.45 U2.12@57.93,18.45 59.2,18.45 v2(59.25,18.5) ; PI.5@28.98,4.369 ccw(c28.98,5.26) 29.61,4.63 ccw(c30.24,4) PI.5@29.349,4 ; PI.5@28.98,4.623 ccw(c28.98,6.127) 30.044,5.064 ccw(c31.107,4) PI.5@29.603,4 ; U2.12@58.712,18.45 ccw(c58.712,19.038) v2@59.128,18.622 ; 58.953,18.45 cw(c58.953,18.203) v2@59.128,18.378
SDA: PI.3 R9.2 U2.13 | length 47.4
  Top Layer w0.254: v2@56.328,19.272 ccw(c56.032,19.568) 56.45,19.568 ccw(c56.868,19.568) v2@56.572,19.272 ; v2@56.361,19.298 ccw(c56.2,19.567) 56.504,19.491 ; v2(56.45,19.15) 56.45,20.9 R9.2@56.75,21.2 ; v2@56.45,19.275 cw(c58.375,19.275) R9.2@57.014,20.636 ; 56.45,19.888 cw(c57.762,19.888) R9.2@56.834,20.816 ; 56.54,19.634 ccw(c57.046,19.507) v2@56.598,19.239
  Bottom Layer w0.254: PI.3@26.197,4.574 ccw(c26.042,4.94) 26.44,4.94 ; PI.3@26.44,4 26.44,4.94 ; PI.3@26.683,4.574 cw(c26.838,4.94) 26.44,4.94 ; 55.912,19.1 ccw(c55.912,19.688) v2@56.328,19.272 ; 56.153,19.1 cw(c56.153,18.853) v2@56.328,19.028 ; v2@56.572,19.028 cw(c56.747,18.853) 56.747,19.1 ; v2@56.572,19.272 ccw(c56.988,19.688) 56.988,19.1 ; U2.13@57.93,19.1 53.7,19.1 43.654,9.054 29.204,9.054 27.75,7.6 27.75,6.25 26.44,4.94
VCC1V8: "SPI 1.10" "SPI 2.10" "SPI 3.10" "SPI 4.10" C2.1 C4.1 C6.1 C8.1 C11.2 C12.2 C13.1 C14.2 C231.2 C236.2 C237.2 L4.2 R31.2 U2.3 U2.4 U6.1 U7.1 U20.1 U21.1 VCC1.8V.1 XO1.1 XO1.4 | length 304.2
  Top Layer w0.254: U20.1@34,52.913 35.287,52.913 v2(35.3,52.9) ; U20.1@34.597,52.791 cw(c34.893,52.495) 34.893,52.913 cw(c34.893,53.331) U20.1@34.597,53.035 ; 34.851,52.913 cw(c34.851,52.451) v2@35.178,52.778 ; 34.914,52.913 ccw(c34.914,53.286) v2@35.178,53.022 ; U21.1@45.613,52.9 U21.1@45.6,52.913 46.813,52.913 v2(46.9,53) ; U21.1@46.197,52.791 cw(c46.493,52.495) 46.493,52.913 cw(c46.493,53.331) U21.1@46.197,53.035 ; U21.1@46.272,52.913 ccw(c46.272,53.627) v2@46.778,53.122 ; v2(66,18.2) 71.423,18.2 73.333,16.29 U7.1@73.6,16.29 73.8,16.09 C8.1@73.8,13.4 ; v2@66.122,18.078 cw(c66.418,17.782) 66.418,18.2 cw(c66.418,18.618) v2@66.122,18.322 ; 72.683,16.94 cw(c72.033,16.29) U7.1@72.952,16.29 ; U7.1@73.478,16.168 cw(c72.699,15.389) 73.8,15.389 ; U6.1@73.478,35.368 cw(c72.699,34.589) 73.8,34.589 ; C8.1@73.607,13.643 ccw(c73.141,14.109) 73.8,14.109 ccw(c74.459,14.109) C8.1@73.993,13.643 ; C6.1@73.607,33.043 ccw(c73.141,33.509) 73.8,33.509 ccw(c74.459,33.509) C6.1@73.993,33.043 ; U6.1@73.61,35.5 U6.1@73.6,35.49 73.8,35.29 C6.1@73.8,32.8 75.4,32.8 v2(75.6,32.6) ; U7.1@73.657,16.347 cw(c73.313,16.003) U7.1@73.8,16.003 ; U6.1@73.657,35.547 cw(c73.313,35.203) U6.1@73.8,35.203 ; v2@73.678,14.878 cw(c73.382,14.582) 73.8,14.582 cw(c74.218,14.582) v2@73.922,14.878 ; v2@73.678,15.122 ccw(c73.382,15.418) 73.8,15.418 ccw(c74.218,15.418) v2@73.922,15.122 ; C6.1@73.993,32.607 cw(c74.459,32.141) 74.459,32.8 cw(c74.459,33.459) C6.1@73.993,32.993 ; 74.7,32.8 cw(c74.7,31.7) v2@75.478,32.478 ; 75.313,32.8 cw(c75.313,32.313) v2@75.657,32.657
  Top Layer w0.5: C231.2@24.994,26.456 ccw(c24.496,26.954) 25.2,26.954 ; R31.2@25.023,27.523 cw(c24.596,27.096) 25.2,27.096 cw(c25.804,27.096) R31.2@25.377,27.523 ; C231.2@25.1,26.3 25.2,26.4 R31.2@25.2,27.7 29.2,27.7 30.9,26 44.6,26 47.15,28.55 C237.2@48.9,28.55 ; R31.2@25.527,27.523 cw(c25.954,27.096) 25.954,27.7 cw(c25.954,28.304) R31.2@25.527,27.877 ; v1@29,27.55 cw(c29,26.705) 29.597,27.303 ; C237.2@47.938,28.338 ccw(c47.426,27.826) 47.426,28.55 ccw(c47.426,29.274) C237.2@47.938,28.762 ; C237.2@48.688,28.762 ccw(c48.176,29.274) 48.9,29.274 ccw(c49.624,29.274) C237.2@49.112,28.762 ; C237.2@49.862,28.338 cw(c50.736,27.464) 50.736,28.7 ; L4.2@51.047,30.502 cw(c51.645,29.905) 51.645,30.75 cw(c51.645,31.595) L4.2@51.047,30.997 ; 51.717,30.75 ccw(c51.717,31.283) v1@52.094,30.906 ; v1(52.2,30.8) 52.15,30.75 L4.2@49.9,30.75 48.9,29.75 C237.2@48.9,28.55 ; C236.2@52.8,28.7 49.05,28.7 C237.2@48.9,28.55 ; v1(60.9,31) 65.9,36 65.9,47.5 67.3,48.9 70.9,48.9 72.2,50.2 72.2,51.8 71.06,52.94 69.46,52.94 69.34,52.94 ; C12.2@61.9,17.7 v2(61.9,18.45) C11.2@61.9,19.2 ; 69.814,52.586 cw(c70.667,51.733) 70.667,52.94 cw(c70.667,54.147) 69.814,53.294
  Bottom Layer w0.254: 25.66,52.94 25.7,52.9 34.6,52.9 ; 25.921,52.679 cw(c26.454,52.146) 26.454,52.9 ; 25.921,53.201 ccw(c26.647,53.927) 26.647,52.9 ; 26.101,52.499 cw(c27.067,51.533) 27.067,52.9 ; 26.101,53.381 ccw(c27.261,54.541) 27.261,52.9 ; C2.1@33.75,54.4 33.75,53.75 34.6,52.9 ; C2.1@33.769,54.15 ccw(c34.781,54.15) 34.065,53.435 ; C2.1@34.023,54.15 ccw(c35.648,54.15) 34.499,53.001 ; v2@35.178,52.778 ccw(c34.882,52.482) 34.882,52.9 ccw(c34.882,53.318) v2@35.178,53.022 ; v2@35.2,52.8 v2(35.3,52.9) ; v2@35.3,52.727 cw(c35.3,52.309) 35.595,52.605 cw(c35.891,52.9) v2@35.473,52.9 ; C4.1@45.257,53.957 cw(c44.791,53.491) 45.45,53.491 cw(c46.109,53.491) C4.1@45.643,53.957 ; C4.1@45.45,54.2 45.45,53.25 45.8,52.9 v2@46.8,52.9 ; 46.241,52.9 ccw(c46.241,53.659) v2@46.778,53.122 ; v2@46.727,53 cw(c46.309,53) 46.605,52.705 cw(c46.9,52.409) v2@46.9,52.827 ; v2(46.9,53) v2@46.8,52.9 ; U2.4@63.741,17.688 cw(c63.918,17.841) U2.4@63.752,18.007 ; 63.87,18.125 63.945,18.2 ; U2.4@63.933,17.854 cw(c64.124,18.021) 63.945,18.2 ; U2.3@64.406,18.359 ccw(c64.694,18.541) 64.694,18.2 ; U2.3@64.429,18.329 ccw(c64.741,18.641) 64.741,18.2 ; U2.3@64.609,18.509 ccw(c65.354,19.254) 65.354,18.2 ; U2.3@64.62,18.494 ccw(c65.155,18.833) 65.155,18.2 ; v2@65.878,18.078 ccw(c65.582,17.782) 65.582,18.2 ccw(c65.582,18.618) v2@65.878,18.322 ; v2(66,18.2) 63.945,18.2 ; v2@73.627,15 cw(c73.209,15) 73.505,14.705 cw(c73.8,14.409) v2@73.8,14.827 ; v2@73.8,15.173 ccw(c73.8,15.591) 74.095,15.295 ccw(c74.391,15) v2@73.973,15 ; v2@75.478,32.478 cw(c74.941,31.941) 75.7,31.941 ; v2@75.7,32.6 75.7,16.9 v2(73.8,15) 72.5,13.7 72.5,11.9 72.927,11.473 78.873,11.473 79.9,12.5 ; 80.417,13.64 cw(c78.913,13.64) 79.976,12.576 cw(c81.04,11.513) 81.04,13.017 ; 80.417,33.24 cw(c78.913,33.24) 79.976,32.176 cw(c81.04,31.113) 81.04,32.617 ; 80.671,13.64 cw(c79.78,13.64) 80.41,13.01 cw(c81.04,12.38) 81.04,13.271 ; 80.671,33.24 cw(c79.78,33.24) 80.41,32.61 cw(c81.04,31.98) 81.04,32.871 ; 81.04,13.64 79.9,12.5 ; 81.04,33.24 79.9,32.1 79.9,12.5 ; 34.6,52.9 v2(35.3,52.9) ; v2(35.3,52.9) 36,52.2 46.1,52.2 v2@46.8,52.9
  Bottom Layer w0.5: VCC1.8V.1@22.746,44.946 ccw(c21.893,44.093) 21.893,45.3 ccw(c21.893,46.507) VCC1.8V.1@22.746,45.654 ; VCC1.8V.1@23.1,45.3 19.3,45.3 ; 25.16,52.94 ccw(c23.953,52.94) 24.806,53.794 ccw(c25.66,54.647) 25.66,53.44 ; 25.66,52.94 23.8,54.8 20.3,54.8 19.3,53.8 19.3,45.3 ; v1(29,27.7) 19.7,27.7 19.3,28.1 19.3,45.3 ; v1(52.2,30.8) 52.4,31 C13.1@58.8,31 ; v1@52.306,30.694 cw(c53.045,29.955) 53.045,31 ; XO1.4@58.1,25.06 ccw(c56.991,26.169) 58.56,26.169 ccw(c60.129,26.169) 59.02,25.06 ccw(c59.888,25.928) 59.888,24.7 ; XO1.1@58.1,28.14 cw(c56.991,27.031) 58.56,27.031 cw(c60.129,27.031) XO1.1@59.02,28.14 ; XO1.1@58.1,29.26 ccw(c56.991,30.369) 58.56,30.369 ccw(c60.129,30.369) XO1.1@59.02,29.26 ; 58.56,30.179 cw(c59.571,30.179) C13.1@58.856,30.894 ; XO1.4@59.02,24.14 cw(c60.371,22.789) 60.371,24.7 ; C14.2@62.9,31 C13.1@58.8,31 ; U2.4@63.87,17.81 63.87,18.125 63.87,18.44 61.91,18.44 v2(61.9,18.45) 61.9,24.1 61.3,24.7 58.76,24.7 XO1.4@58.56,24.5 XO1.1@58.56,28.7 58.56,30.76 C13.1@58.8,31
VCC12V: C238.2 C239.2 C248.2 C249.2 F1.1 R28.2 R34.2 R37.2 R38.2 R46.2 U28.5 U28.6 U28.7 U28.8 U33.5 U33.6 U33.7 U33.8 | length 153.8
  Top Layer w0.5: U33.8@41.631,22.309 cw(c41.445,21.986) U33.8@41.805,21.889 ; U33.8@41.655,21.678 U33.7@43.179,21.678 ; U33.8@41.751,22.241 ccw(c43.109,23.599) U33.7@43.109,21.678 ; U33.8@41.809,20.848 cw(c42.664,20.823) U33.7@42.664,21.678 ; U33.8@41.828,20.91 ccw(c42.073,20.837) U33.8@41.995,20.593 ; U33.8@41.84,21.749 cw(c41.394,21.34) U33.8@41.919,21.04 ; U33.8@41.879,20.582 ccw(c41.329,21.604) U33.8@42.44,21.27 ; U33.8@41.89,20.588 ccw(c41.521,21.44) U33.8@42.411,21.173 ; U33.8@42.012,21.713 cw(c42.257,21.174) U33.8@42.553,21.687 ; v1(42.05,36.85) 42.21,36.69 U28.5@42.979,36.69 ; U33.8@42.056,21.956 ccw(c42.727,22.627) U33.7@42.727,21.678 ; U33.8@42.06,21.748 cw(c42.317,21.508) U33.8@42.492,21.812 ; U33.8@42.08,21.925 ccw(c42.764,22.32) U33.8@42.559,21.557 ; U33.8@42.102,21.948 cw(c41.794,20.802) U33.7@42.822,21.395 ; U33.8@42.108,21.678 cw(c42.108,20.648) U33.7@42.836,21.376 ; U28.8@42.156,36.956 ccw(c42.798,37.598) U28.5@42.798,36.69 ; U33.8@42.309,20.834 cw(c43.179,20.808) U33.7@43.179,21.678 ; U33.5@42.836,18.964 ccw(c42.009,19.791) 43.179,19.791 ; U33.6@42.836,20.086 cw(c42.009,19.259) 43.179,19.259 ; U33.6@42.836,20.234 ccw(c42.009,21.061) 43.179,21.061 ; U33.7@42.836,21.356 cw(c42.009,20.529) 43.179,20.529 ; U33.7@42.836,21.504 ccw(c42.009,22.331) 43.179,22.331 ; U33.8@42.836,22.626 cw(c42.009,21.799) 43.179,21.799 ; 42.979,40.1 U28.5@42.979,36.69 ; U28.5@43,36.69 U28.5@42.979,36.69 ; U33.5@43.179,19.138 U33.7@43.179,21.678 ; U33.8@43.179,22.948 U33.7@43.179,21.678
  Top Layer w1: F1.1@18.4,8.8 18.45,8.75 R37.2@20.3,8.75 ; 18.4,21.4 20.605,21.4 R38.2@20.917,21.088 ; 20.014,21.4 cw(c20.014,20.335) R38.2@20.767,21.088 ; R34.2@27.446,39.5 27.446,42.046 27.7,42.3 ; R34.2@27.5,39.5 30.118,39.5 C239.2@30.186,39.432 C238.2@33.318,39.432 ; C239.2@30.6,39.5 30.6,42.3 ; 30.6,40.364 ccw(c31.868,40.364) C239.2@30.971,39.467 ; 33.4,42.3 33.318,42.218 C238.2@33.318,39.432 ; C238.2@33.518,39.5 33.45,39.432 C238.2@33.318,39.432
  Top Layer w1.5: U28.8@40.23,38.522 cw(c40.935,37.653) 41.726,38.444 41.114,39.056 cw(c39.878,37.819) U28.8@41.593,37.483
  Top Layer w2: F1.1@18.4,9.5 18.4,21.4 18.4,24 ; 18.4,32.567 cw(c19.583,32.567) R28.2@18.746,33.404 ; 18.4,33.833 ccw(c19.583,33.833) R28.2@18.746,32.996 ; 25.047,24.4 cw(c25.047,20.506) R46.2@27.801,23.26 ; R46.2@27.393,23.26 cw(c30.147,20.506) 30.147,24.4 ; 28.626,24.4 cw(c28.626,22.926) C248.2@29.668,23.968 ; C248.2@30.532,23.968 cw(c31.574,22.926) 31.574,24.4 ; 31.626,24.4 cw(c31.626,22.926) C249.2@32.668,23.968 ; C249.2@33.532,23.968 cw(c34.574,22.926) 34.574,24.4 ; U33.8@39.515,21.639 ccw(c37.958,22.957) 39.4,24.4 ; U28.8@39.651,39.48 ccw(c38.164,40.864) 39.6,42.3 ; U28.8@41.066,40.834 cw(c39.683,39.451) U28.8@41.115,38.118 ; U28.8@41.114,39.056 41.2,39.142 41.2,40.7 39.6,42.3 ; U33.8@41.25,22.55 39.4,24.4 ; 18.4,24 18.4,37.7 23,42.3 27.7,42.3 30.6,42.3 33.4,42.3 39.6,42.3 ; 18.4,24 18.8,24.4 39.4,24.4
  other v1: 38.75,19.05 40.35,19.05 41.95,19.05 39.55,19.75 41.15,19.75 38.75,20.45 40.35,20.45 41.95,20.45 39.55,21.15 41.15,21.15 38.75,21.85 40.35,21.85 41.95,21.85 39.55,22.55 41.15,22.55 38.85,36.85 40.45,36.85 39.65,37.55 41.25,37.55 38.85,38.25 40.45,38.25 42.05,38.25 39.65,38.95 41.25,38.95 38.85,39.65 40.45,39.65 42.05,39.65 39.65,40.35 41.25,40.35
pads on no net: PI.7 PI.8 PI.10 PI.11 PI.13 PI.17 PI.24 PI.26 S1.1 S1.4 S1.5 U2.2 U2.8 U2.9 U2.14 U6.6 U6.9 U7.6 U7.9 U20.6 U20.9 U21.6 U21.9

## Polygon pours and split planes (outlines as drawn)
GND1 on Bottom Layer "Top Layer-No Net 2" (solid, remove dead copper, pour order 22): 0,56.9 84.9,56.9 85,57 85.1,56.9 85.1,-0.1 0.2,-0.1 -0.1,0.2 0,0.3 0,56.8
5V0 on Top Layer "Top Layer-No Net 2" (solid, pour order 20): 52.6,23.4 55.4,23.4 55.4,10.8 55.3,10.7 55.3,7.7 55.2,7.8 27.4,7.8 27.4,5.7 23,5.7 23.1,5.8 23.1,9 23.4,9.3 27.9,9.3 43.4,9.3 44.5,10.4 44.5,12.7 52.6,20.8 52.6,23.4
NetC245_1 on Top Layer "Top Layer-No Net 2" (solid, pour order 3): 34.6,23.3 34.6,18.8 33.2,17.4 33.2,16 35,14.2 37.9,14.2 38,14.1 38,9.5 43.6,9.5 44.5,10.4 44.5,10.5 44.5,12.7 52.6,20.8 52.6,20.9 52.6,23.4 52.5,23.5 43.7,23.5 43.7,18.4 43.6,18.3 38.2,18.3 38.2,23.3 38.1,23.4 38.05,23.35 34.65,23.35
VCC1V8 on Top Layer "Top Layer-No Net 2" (solid, pour order 5): 55.4,40.6 55.4,26.6 43.8,26.6 43.7,26.7 45.5,28.5 45.6,28.5 45.6,31.7 53.2,39.3 53.2,40.6
NetC235_1 on Top Layer "Top Layer-No Net 2" (solid, pour order 16): 34.6,41.3 38.2,41.3 38.2,36.1 43.9,36.1 43.8,36.2 43.8,40.7 53.2,40.7 53.2,39.3 45.6,31.7 45.6,28.6 43.7,26.7 38.1,26.7 38,26.8 38,28.4 38,31.4 37.9,31.5 37.4,32 33.3,32 33.3,33.6 34.6,34.9 34.6,35.1 34.6,41.3
VCC12V on Top Layer "Top Layer-No Net 2" (solid, pour order 14): 16.6,43.95 41.25,43.95 43.8,41.4 43.5,41.1 43.5,36.3 43.2,36 42.8,36 38.5,36 38.4,36.1 38.2,36.3 38.2,41 37.9,41.3 36.7,41.3 25.2,41.3 24.8,40.9 21,37.1 21,33.8 21,0 16.2,0 16.2,44 16.3,44.1 16.4,44 17.1,44
NetF1_2 on Top Layer "Top Layer-No Net 2" (solid, pour order 12): 13.3,10.7 16.9,10.7 17,10.7 17,0 16.9,0 12.3,0 12.3,9.8
NetPOWER0_1 on Top Layer "Top Layer-No Net 2" (solid, pour order 10): 1.152,57 16.6,57 16.6,14.5 16.503,14.4 12.134,9.9 11.94,9.9 11.94,0.1 -0.1,0.1 -0.1,57 1.152,57

## Keep-outs
Keep-Out Layer:
  lines w0.254: 0,3.8 0,53 cw(c4,53) 4,57 81,57 cw(c81,53) 85,53 85,4 cw(c81,4) 81,0 4,0 cw(c4,4) 0,4

## Silkscreen, mask and mechanical layers (free items; w line width, h text height)
Mechanical 1:
  lines w0.254: 38.1,18.2 38.2,18.3 43.6,18.3 43.7,18.4 ; 38.8,26.5 43.5,26.5 ; 44.4,23.5 44.5,23.4

## Text inside footprints (layer, text, board x,y; h text height)
"MOSI OUT": Top Overlay "8" at 62.206,4.508 h1.27 r180; Top Overlay "7" at 62.2,7.2 h1.27 r180; Top Overlay "1" at 73.382,7.048 h1.27 r180; Top Overlay "2" at 73.89,4.508 h1.27 r180
PI: Top Overlay "2" at 21.36,6.032 h1.27; Top Overlay "1" at 21.904,3.46 h1.27; Top Overlay "25" at 55.904,3.492 h1.27; Top Overlay "26" at 55.904,6.032 h1.27
POWER0: Top Overlay "GND" at 13.5,23.2 h1 r270; Top Overlay "VCC" at 13.5,33.2 h1 r270
"SPI 1": Top Overlay "2" at 12.96,52.432 h1.27; Top Overlay "1" at 13.468,49.892 h1.27; Top Overlay "9" at 27.184,49.892 h1.27; Top Overlay "10" at 27.184,52.432 h1.27
"SPI 2": Top Overlay "2" at 56.76,52.432 h1.27; Top Overlay "1" at 57.268,49.892 h1.27; Top Overlay "9" at 70.984,49.892 h1.27; Top Overlay "10" at 70.984,52.432 h1.27
"SPI 3": Top Overlay "2" at 80.532,45.94 h1.27 r270; Top Overlay "1" at 77.992,45.432 h1.27 r270; Top Overlay "9" at 77.992,31.716 h1.27 r270; Top Overlay "10" at 80.532,31.716 h1.27 r270
"SPI 4": Top Overlay "2" at 80.532,26.34 h1.27 r270; Top Overlay "1" at 77.992,25.832 h1.27 r270; Top Overlay "9" at 77.992,12.116 h1.27 r270; Top Overlay "10" at 80.532,12.116 h1.27 r270
U22: Top Overlay "1" at 31.346,33.248 h1.27 r90
U31: Top Overlay "1" at 31.346,17.676 h1.27 r90